# Altium PCB PROC114E3_BRD.PcbDoc (part 9 of 18)
Units mm, origin at the board's own origin, x right, y up, seen from the top; angles counter-clockwise.
Board outline 85 x 155.18 mm, 10 copper layers (TOP, L02_GND1, L03_SIG1, L04_GND2, L05_PWR1, L06_PWR2, L07_GND3, L08_SIG2, L09_GND4, BOTTOM), stack 1.134 mm thick; 1389 components, 1010 nets, 5137 pads, 3263 vias.
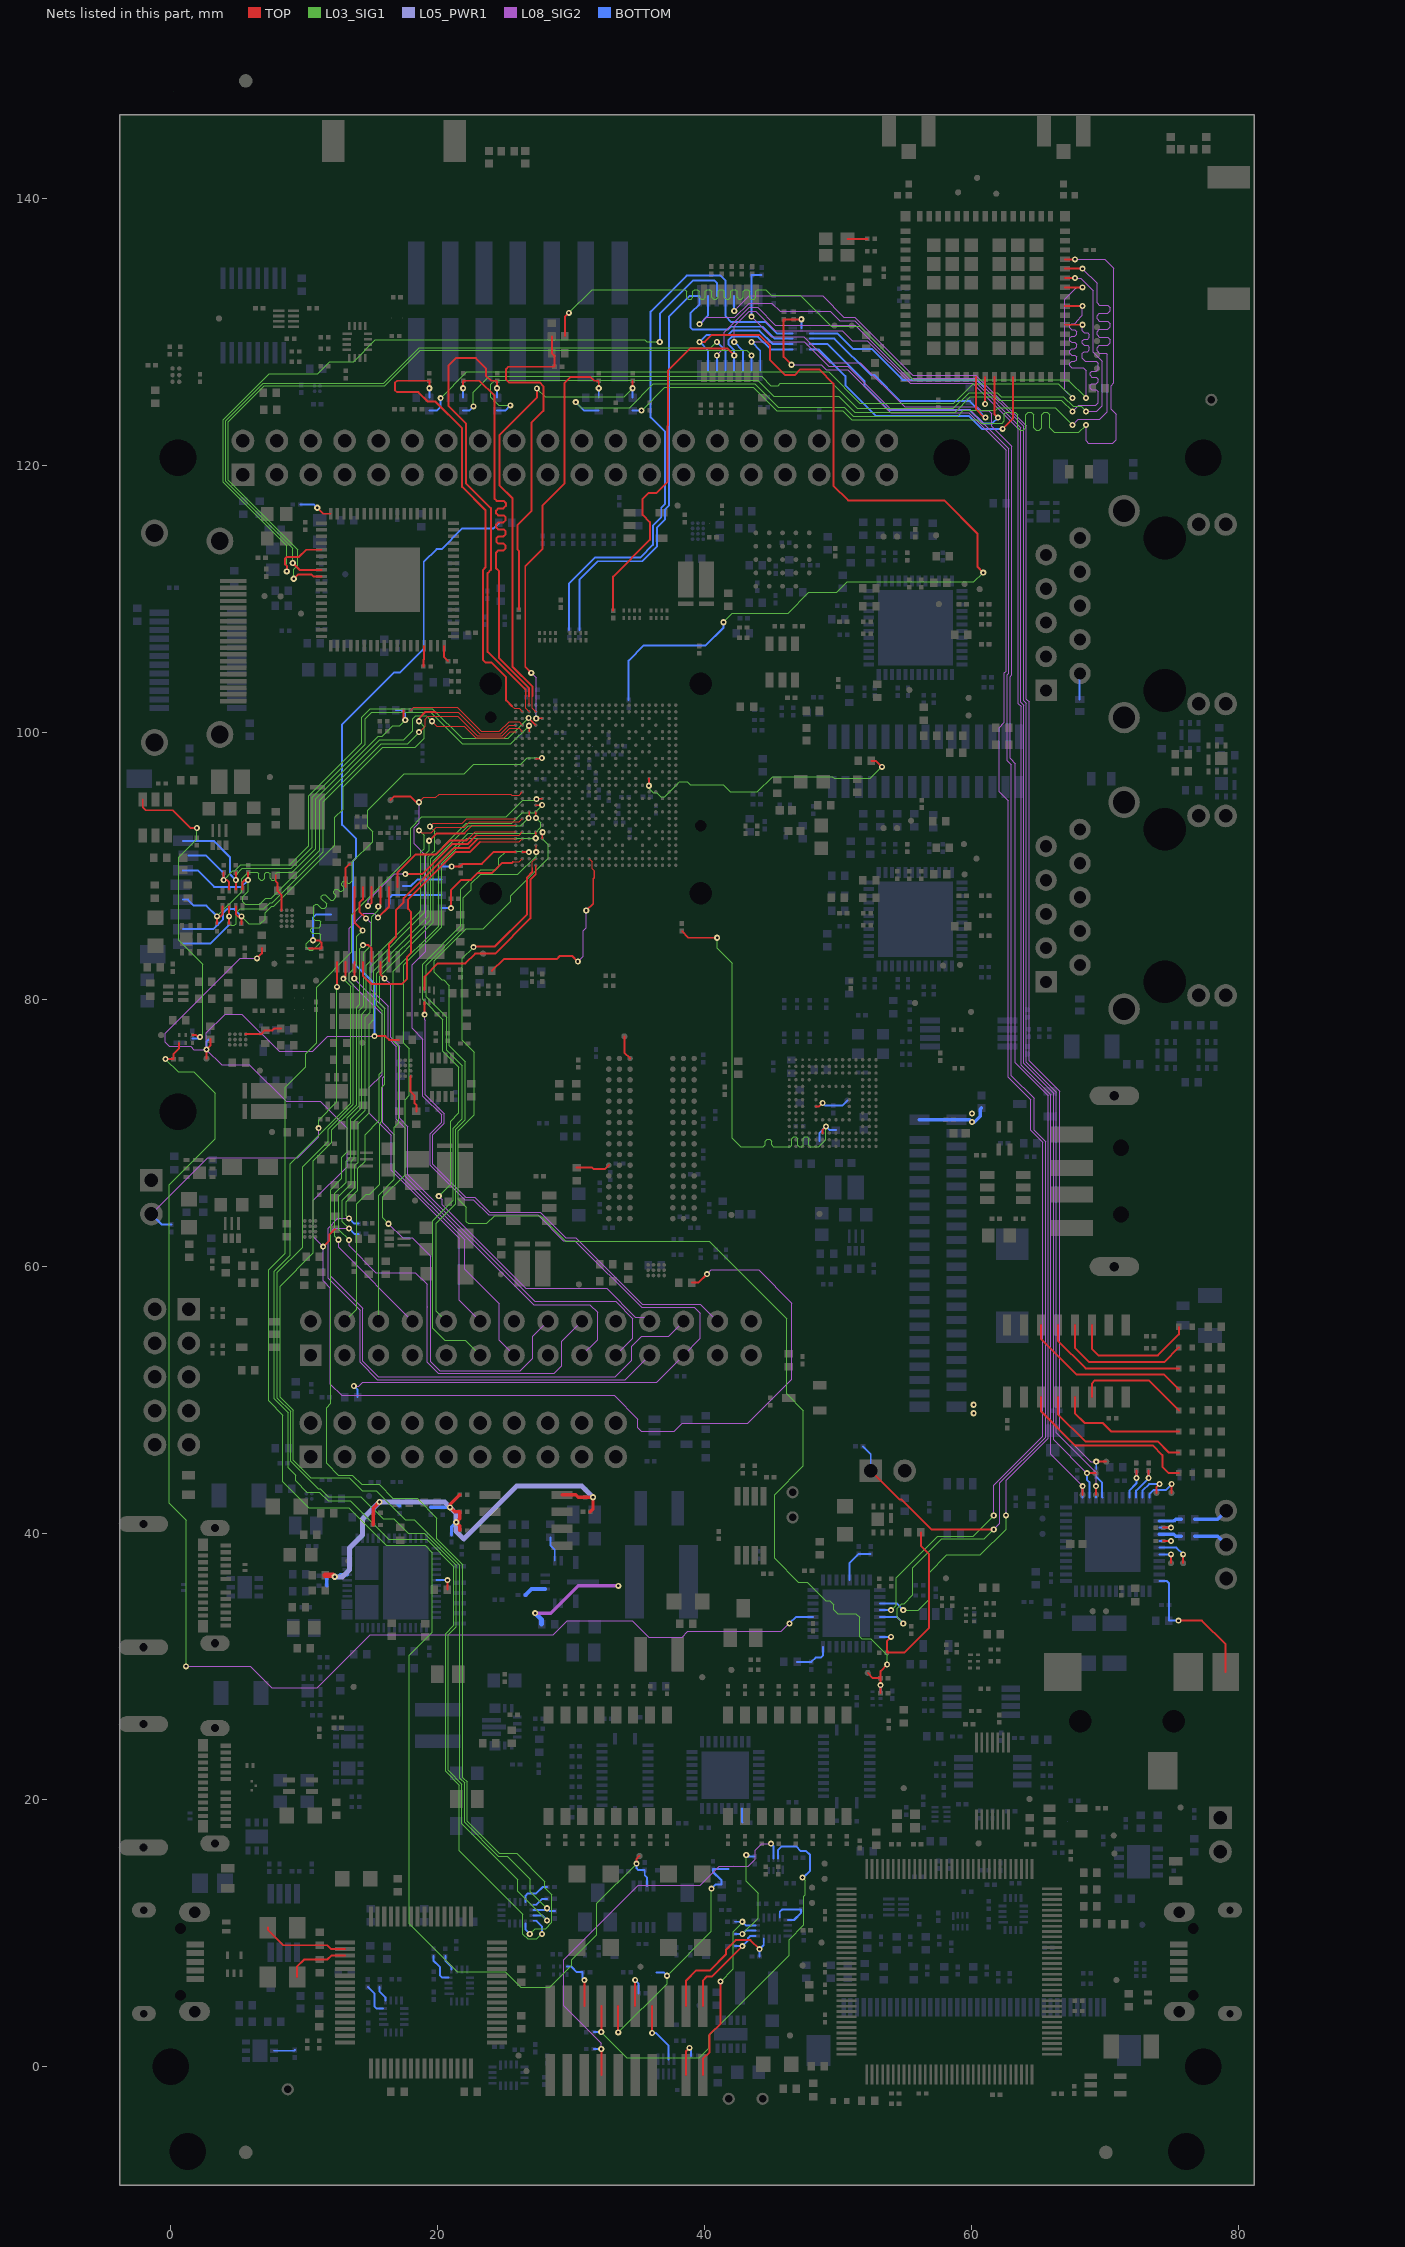
[diagram p17: the nets of this part, all layers, seen from the top]

## Via types
v1: diameter 0.457, hole 0.203, TOP to BOTTOM, 3263 vias

## Nets (pads, with @x,y where several pads share a name; then routed paths per layer and width w, separated by ;. In a path a pad name is that pad's centre, name@x,y a point inside that pad or via, vN(x,y) a via of type N, cw(c..) or ccw(c..) an arc to the next point about the centre after c; other vN are vias at no path point) (continued)
INA_ALERT:  | length 169
  TOP w0.147: 2.681,75.548 v1(2.681,76.236) 2.968,76.523 2.968,77.007 ; v1(6.466,83.068) 6.836,83.439 6.836,83.835 ; v1(11.427,61.463) 11.885,61.922 11.885,62.352 12.286,62.752 12.324,62.752 ; v1(15.276,77.24) 16.097,77.24 16.37,76.967 17.131,76.967 ; 39.061,58.76 39.553,58.76 v1(40.196,59.403)
  L08_SIG2 w0.091: v1(6.466,83.068) 5.221,83.068 -0.392,77.455 -0.392,76.769 -0.113,76.49 1.487,76.49 1.741,76.236 v1(2.681,76.236) ; v1(15.276,77.24) 15.273,77.237 11.787,77.237 10.638,76.088 8.137,76.088 5.339,78.886 4.087,78.886 2.681,77.48 v1(2.681,76.236) ; v1(40.196,59.403) 40.513,59.721 44.063,59.721 46.555,57.229 46.555,51.532 43.248,48.224 38.351,48.224 37.758,47.632 35.269,47.632 35.02,47.881 35.02,48.54 33.233,50.328 12.805,50.328 11.977,51.156 11.977,58.354 11.427,58.904 v1(11.427,61.463) 10.702,62.188 10.702,64.922 13.217,67.437 13.217,70.33 11.206,72.34 8.663,72.34 5.907,75.096 3.82,75.096 v1(2.681,76.236)
  BOTTOM w0.147: v1(2.681,76.236) 2.681,76.824 2.845,76.987 ; v1(15.276,77.24) 15.276,81.167 13.654,82.789 13.654,90.362 13.895,90.603 13.895,92.023 12.844,93.075 12.844,100.597 16.727,104.481 17.182,104.481 18.967,106.266 18.967,112.777 19.93,113.74 20.305,113.74 21.832,115.266 24.192,115.266 24.595,115.67 24.595,115.708
IO_EXP_ADDR:  | length 1.1
  BOTTOM w0.147: 42.818,19.354 42.818,18.349 42.869,18.298
IO_EXP_INTN:  | length 2.8
  BOTTOM w0.147: 46.944,30.339 48.011,30.339 48.34,30.669 48.722,30.669 48.891,30.839 48.891,31.472
IO_EXP_P14:  | length 3.1
  BOTTOM w0.147: 50.891,36.471 50.891,37.76 51.567,38.435 52.456,38.435
IO_EXP_TEST_LED:  | length 13.5
  TOP w0.147: v1(53.992,32.221) 53.673,31.902 53.673,31.034 54.973,31.034 56.845,32.907 56.845,38.405 56.22,39.03 56.22,40.051
  BOTTOM w0.147: 53.141,32.221 v1(53.992,32.221)
JTAG_CTI_RTCK:  | length 3.1
  TOP w0.147: 34.812,4.544 v1(34.812,6.5)
  BOTTOM w0.147: v1(34.812,6.5) 35.057,6.255 35.057,5.497
JTAG_CTI_TCK:  | length 20.1
  TOP w0.147: v1(33.542,2.576) 33.542,4.544
  L03_SIG1 w0.091: v1(33.542,2.576) 37.2,6.233 v1(37.2,6.817) 40.527,10.145 v1(40.527,13.345)
  BOTTOM w0.147: 36.396,7.078 36.939,7.078 v1(37.2,6.817) ; v1(40.527,13.345) 40.828,13.646 41.283,13.646 41.283,13.96 40.646,14.597 40.646,14.837 41.821,14.837
JTAG_DIR:  | length 3.6
  BOTTOM w0.147: 45.648,11.198 45.648,11.608 45.825,11.786 47.257,11.786 47.257,11.541 46.714,10.998 46.248,10.998
JTAG_EMU0:  | length 32.9
  TOP w0.147: v1(32.272,2.6) 32.272,4.544
  L03_SIG1 w0.091: v1(32.272,2.6) 34.197,0.676 39.618,0.676 40.375,1.433 40.375,2.376 46.369,8.37 46.369,9.537 47.461,10.629 47.461,12.786 47.558,12.883 47.558,13.985 v1(47.36,14.183)
  BOTTOM w0.147: 31.713,2.6 v1(32.272,2.6) ; 45.526,15.612 45.526,15.736 45.523,15.739 45.523,16.072 45.526,16.075 45.526,16.261 45.785,16.52 46.877,16.52 47.233,16.165 47.623,16.165 47.918,15.869 47.918,14.691 47.41,14.183 v1(47.36,14.183)
JTAG_EMU1:  | length 31.1
  TOP w0.147: 32.272,-0.612 v1(32.272,1.331)
  L08_SIG2 w0.091: v1(32.272,1.331) 32.272,1.764 29.464,4.572 29.464,8.023 35.041,13.599 39.689,13.599 41.111,15.022 43.296,15.022 43.829,15.555 43.829,16.241 44.311,16.722 v1(44.985,16.722)
  BOTTOM w0.147: 31.713,1.331 v1(32.272,1.331) ; v1(44.985,16.722) 45.176,16.531 45.176,15.612
JTAG_EMU_RSTN:  | length 3.9
  TOP w0.147: 31.002,4.544 v1(31.002,6.487)
  BOTTOM w0.147: 29.698,7.498 30.042,7.498 30.443,7.097 30.875,7.097 30.875,6.614 v1(31.002,6.487)
JTAG_TCK:  | length 9.1
  L03_SIG1 w0.091: v1(42.843,9.952) 44.028,11.137 44.028,13.006 43.136,13.898 v1(43.136,15.877)
  BOTTOM w0.147: 42.284,9.952 v1(42.843,9.952) 43.089,10.198 43.848,10.198 ; v1(43.136,15.877) 43.263,15.75 43.771,15.75
JTAG_TDI:  | length 10.6
  TOP w0.147: 38.622,4.544 38.622,6.462 39.384,7.224 40.425,7.224 41.619,8.418 41.619,8.773 42.344,9.498 43.447,9.498 v1(44.134,8.811)
  BOTTOM w0.147: 44.134,8.265 v1(44.134,8.811) 44.448,9.125 44.448,9.598
JTAG_TDIS:  | length 2.8
  TOP w0.147: 38.622,-0.612 38.622,1.153 v1(38.889,1.42)
  BOTTOM w0.147: v1(38.889,1.42) 39.003,1.306 39.003,0.823
JTAG_TDO:  | length 4.7
  TOP w0.147: v1(36.082,2.525) 36.082,4.544
  BOTTOM w0.147: v1(36.082,2.525) 36.387,2.525 37.32,1.591 37.32,0.561
JTAG_TMS:  | length 7.9
  TOP w0.147: 39.892,4.544 39.892,6.462 40.197,6.767 40.572,6.767 v1(42.843,9.038)
  BOTTOM w0.147: 42.284,9.038 v1(42.843,9.038) 43.27,9.465 43.27,9.637 43.432,9.798 43.848,9.798
JTAG_TRST#:  | length 14.4
  TOP w0.147: 39.892,-0.612 39.892,0.594 40.4,1.102 40.4,2.423 41.213,3.236 v1(41.213,6.386)
  L03_SIG1 w0.091: v1(41.213,6.386) 42.178,7.351 42.178,10.119 42.843,10.785 v1(42.843,10.867)
  BOTTOM w0.147: 42.284,10.867 v1(42.843,10.867) 43.112,10.598 43.848,10.598
LDO_1V8:  | length 1.5
  TOP w0.147: 20.74,35.761 v1(20.74,36.465)
  BOTTOM w0.147: 19.92,36.465 v1(20.74,36.465)
LDO_3V3:  | length 43.8
  TOP w0.254: 15.17,40.599 15.17,41.514 15.17,41.849 v1(15.648,42.327) ; 21.659,40.193 21.659,40.546 v1(21.399,40.805) 21.659,41.064 21.659,41.59 21.277,41.59 v1(20.942,41.925) 20.942,42.143 21.659,42.86 ; 29.333,42.86 30.355,42.86 30.532,42.682 31.06,42.682 v1(31.65,42.682) 31.65,41.784 31.455,41.59
  TOP w0.381: 11.578,36.837 12.18,36.837 v1(12.296,36.72)
  L05_PWR1 w0.381: v1(12.296,36.72) 12.873,36.72 13.4,37.247 13.4,38.875 14.38,39.856 14.38,41.059 v1(15.648,42.327) 20.54,42.327 v1(20.942,41.925) 21.375,41.491 21.375,40.158 21.973,39.56 25.933,43.52 30.811,43.52 v1(31.65,42.682)
  BOTTOM w0.254: 11.686,36.043 11.686,36.805 12.212,36.805 v1(12.296,36.72) 12.568,36.72 12.713,36.865 13.22,36.865 ; v1(15.648,42.327) 16.87,42.327 17.17,42.027 ; 19.481,41.925 20.396,41.925 v1(20.942,41.925) ; 21.044,39.88 21.044,40.45 v1(21.399,40.805)
LED1:  | length 13.8
  TOP w0.147: 65.228,50.193 65.228,49.108 67.768,46.568 73.585,46.568 74.322,45.832 74.322,44.981 74.817,44.486 75.562,44.486
LED2:  | length 11.5
  TOP w0.147: 66.498,50.193 66.498,48.918 68.543,46.873 73.979,46.873 74.817,46.035 75.562,46.035
LED3:  | length 9.6
  TOP w0.147: 67.768,50.193 67.768,48.981 68.505,48.245 69.851,48.245 70.486,47.61 75.562,47.61
LED4:  | length 8.6
  TOP w0.147: 69.038,50.193 69.038,51.204 69.267,51.432 73.314,51.432 75.562,49.185
LED5:  | length 9.7
  TOP w0.147: 69.038,55.593 69.038,53.807 69.534,53.312 73.991,53.312 75.562,54.882 75.562,55.458
LED6:  | length 10.4
  TOP w0.147: 67.768,55.593 67.768,53.884 68.848,52.804 74.457,52.804 75.562,53.909
LED7:  | length 11.1
  TOP w0.147: 66.498,55.593 66.498,54.404 68.569,52.334 75.562,52.334
LED8:  | length 13
  TOP w0.147: 65.228,55.593 65.228,54.531 67.895,51.864 74.457,51.864 75.562,50.759
LINE1L+:  | length 2.6
  BOTTOM w0.254: 76.737,41.037 78.46,41.037 79.095,41.672
LINE1L+_C:  | length 1.7
  BOTTOM w0.254: 74.101,40.902 75.195,40.902 75.33,41.037 75.757,41.037
LINE1R+:  | length 2.6
  BOTTOM w0.254: 76.737,39.767 78.46,39.767 79.095,39.132
LINE1R+_C:  | length 1.7
  BOTTOM w0.254: 74.101,39.902 75.184,39.902 75.319,39.767 75.757,39.767
LM61460_RT:  | length 1.9
  BOTTOM w0.147: 28.462,39.678 28.462,39.075 28.785,38.753 28.785,37.932
LM61460_SW:  | length 8.1
  L08_SIG2 w0.254: v1(27.319,33.995) 28.487,33.995 30.535,36.043 v1(33.553,36.043)
  BOTTOM w0.381: v1(27.319,33.995) 27.805,33.509 27.805,33.17
LM61460_VCC:  | length 1.7
  BOTTOM w0.305: 26.596,35.354 27.048,35.807 28.06,35.807
LVDS_SHIELD:  | length 5.5
  BOTTOM w0.254: 56.112,70.959 58.912,70.959 59.9,70.959 v1(60.06,70.8) 60.224,70.8 60.667,71.243 60.667,71.761 60.769,71.862
  other v1: 60.182,48.977 60.182,49.612 60.06,71.435
MCASP1_ACLKX:  | length 34.1
  TOP w0.147: 33.166,109.128 33.166,111.685 35.916,114.434 35.916,115.76 35.369,116.306 35.369,117.508 35.822,117.96 36.428,117.96 37.245,118.778 37.245,122.978 37.269,123.002 37.269,127.096 38.95,128.778 41.709,128.778 v1(42.235,128.252)
  BOTTOM w0.147: 42.235,127.121 v1(42.235,128.252) 42.235,128.656 41.823,129.068 41.823,129.424 42.068,129.67 44.016,129.67 44.971,128.714 46.619,128.714
MCASP1_ACLKX_AUD:  | length 111.8
  TOP w0.147: 68.351,42.855 v1(68.351,43.515)
  L08_SIG2 w0.091: v1(42.235,129.266) 42.235,130.444 43.363,131.572 43.84,131.572 45.306,130.106 50.35,130.106 51.087,129.369 52.195,129.369 55.411,126.152 60.121,126.152 63.53,122.743 63.53,102.161 63.745,101.946 63.745,75.074 65.961,72.859 65.961,45.905 v1(68.351,43.515)
  BOTTOM w0.147: v1(42.235,129.266) 42.885,128.616 42.885,127.121 ; 68.351,42.652 v1(68.351,43.515)
MCASP1_ACLKX_BT:  | length 21.5
  TOP w0.147: v1(62.351,122.751) 63.141,123.541 63.141,126.629
  BOTTOM w0.147: 47.919,128.714 48.552,128.714 50.571,126.695 50.571,126.01 52.858,123.723 59.817,123.723 60.79,122.751 v1(62.351,122.751)
MCASP1_ACLKX_HDMI:  | length 59
  TOP w0.147: v1(9.228,111.52) 9.536,111.829 10.562,111.829 10.7,111.69 11.295,111.69
  L03_SIG1 w0.091: v1(9.228,111.52) 9.228,112.245 9.524,112.541 9.524,113.709 4.329,118.904 4.329,123.291 7.01,125.972 16.043,125.972 18.698,128.628 43.159,128.628 v1(43.535,128.252)
  BOTTOM w0.147: 43.535,127.121 v1(43.535,128.252)
MCASP1_AFSX:  | length 78.4
  TOP w0.147: v1(39.635,129.266) 40.039,129.266 40.567,129.794 44.12,129.794 44.907,129.007 44.907,127.94 46.076,126.771 46.761,126.771 47.193,127.203 48.616,127.203 49.674,126.145 49.674,118.498 50.774,117.399 57.962,117.399 60.467,114.893 60.467,112.404 v1(60.898,111.973)
  L03_SIG1 w0.091: v1(41.432,108.26) 42.1,108.928 46.269,108.928 47.829,110.487 49.911,110.487 50.7,111.276 60.201,111.276 v1(60.898,111.973)
  BOTTOM w0.147: 34.318,102.435 34.318,105.383 35.455,106.52 40.096,106.52 41.432,107.856 v1(41.432,108.26) ; 40.285,127.121 40.285,128.616 v1(39.635,129.266) 40.163,129.794 41.775,129.794 42.087,130.106 44.113,130.106 45.104,129.115 46.619,129.115
MCASP1_AFSX_AUD:  | length 112.8
  TOP w0.147: v1(68.67,44.486) 69.305,44.486
  L08_SIG2 w0.091: v1(40.935,128.252) 41.504,128.821 41.504,129.999 43.356,131.851 43.993,131.851 45.314,130.531 51.306,130.531 55.474,126.363 60.209,126.363 63.724,122.849 63.724,102.264 63.938,102.049 63.938,75.205 66.172,72.971 66.172,46.984 v1(68.67,44.486)
  BOTTOM w0.147: 40.935,127.121 v1(40.935,128.252) ; v1(68.67,44.486) 68.67,44.003 68.851,43.823 68.851,42.652
MCASP1_AFSX_BT:  | length 20.1
  TOP w0.147: 61.741,126.629 61.741,123.857 v1(62.006,123.591)
  BOTTOM w0.147: 47.919,129.115 49.219,129.115 51.994,126.34 51.994,125.984 53.823,124.155 59.893,124.155 60.884,123.165 61.58,123.165 v1(62.006,123.591)
MCASP1_AFSX_HDMI:  | length 56.8
  TOP w0.147: v1(9.148,112.697) 9.655,112.19 11.295,112.19
  L03_SIG1 w0.091: v1(9.148,112.697) 9.148,113.812 4.136,118.824 4.136,123.371 6.941,126.177 15.974,126.177 18.618,128.821 40.49,128.821 v1(40.935,129.266)
  BOTTOM w0.147: v1(40.935,129.266) 41.585,128.616 41.585,127.121
MCASP1_AXR0:  | length 42
  BOTTOM w0.147: 30.625,107.675 30.625,111.447 32.006,112.828 35.336,112.828 36.452,113.944 36.452,115.372 37.061,115.981 37.061,116.716 37.36,117.015 37.36,131.183 38.898,132.721 39.635,132.721 39.635,132.099 38.972,131.436 38.972,130.341 39.119,130.194 41.759,130.194 41.968,130.403 44.374,130.403 45.263,129.515 46.619,129.515
MCASP1_AXR0_AUD:  | length 114.3
  TOP w0.147: 69.351,42.855 v1(69.351,43.515)
  L08_SIG2 w0.091: v1(39.635,130.599) 40.139,131.104 42.284,131.104 43.36,132.18 45.036,132.18 45.669,131.547 49.428,131.547 50.127,130.848 51.262,130.848 55.554,126.557 60.289,126.557 63.917,122.929 63.917,102.392 64.139,102.17 64.139,75.278 66.365,73.051 66.365,47.496 69.351,44.511 v1(69.351,43.515)
  BOTTOM w0.147: v1(39.635,130.599) 40.285,131.249 40.285,132.721 ; 69.351,42.652 v1(69.351,43.515)
MCASP1_AXR0_BT:  | length 19
  TOP w0.147: 60.34,126.629 60.34,124.241 60.985,123.596 v1(61.062,123.596)
  BOTTOM w0.147: 47.919,129.515 49.748,129.515 52.492,126.771 52.756,126.771 54.695,124.832 59.896,124.832 60.604,124.123 60.604,124.054 v1(61.062,123.596)
MCASP1_AXR0_HDMI:  | length 61.1
  TOP w0.147: v1(8.702,112.072) 8.702,112.476 8.566,112.611 8.566,112.999 8.714,113.147 9.602,113.147 10.145,113.69 11.295,113.69
  L03_SIG1 w0.091: v1(8.702,112.072) 8.702,113.984 3.943,118.742 3.943,123.451 7.38,126.888 11.006,126.888 11.905,127.787 13.703,127.787 15.339,129.423 35.516,129.423 35.673,129.266 v1(36.657,129.266)
  BOTTOM w0.147: v1(36.657,129.266) 36.657,131.366 39.177,133.886 40.745,133.886 40.935,133.696 40.935,132.721
MCASP1_AXR2:  | length 44.4
  BOTTOM w0.147: 29.863,107.675 29.863,111.177 31.808,113.123 35.214,113.123 36.144,114.053 36.144,115.489 36.766,116.111 36.766,116.838 37.054,117.126 37.054,122.54 35.977,123.617 35.977,131.536 38.675,134.234 41.215,134.234 41.585,133.864 41.585,132.721 41.585,131.194 42.026,130.753 44.583,130.753 45.422,129.915 46.619,129.915
MCASP1_AXR2_AUD:  | length 108.9
  TOP w0.147: v1(69.367,45.35) 70.068,45.35 70.07,45.352 70.118,45.352
  L08_SIG2 w0.091: v1(42.235,131.59) 43.359,132.714 48.864,132.714 50.458,131.12 51.264,131.12 55.626,126.757 60.352,126.757 60.36,126.75 60.369,126.75 64.132,122.986 64.132,102.5 64.341,102.292 64.341,75.385 66.624,73.101 66.624,47.678 68.953,45.35 v1(69.367,45.35)
  BOTTOM w0.147: v1(42.235,131.59) 42.235,132.721 ; 69.367,44.791 v1(69.367,45.35)
MCASP1_AXR2_BT:  | length 18
  TOP w0.147: v1(61.041,124.612) 61.041,126.629
  BOTTOM w0.147: 47.919,129.915 49.945,129.915 51.121,128.739 52.527,128.739 54.85,126.416 60.427,126.416 61.041,125.802 v1(61.041,124.612)
MCASP1_BUF_BT_EN:  | length 120
  TOP w0.147: v1(46.533,127.559) 45.938,128.153 45.938,130.958 46.7,130.958 47.264,130.958 v1(47.269,130.964)
  L03_SIG1 w0.091: v1(53.992,34.221) 54.368,34.597 54.368,36.639 57.483,39.754 60.131,39.754 v1(61.687,41.31)
  L08_SIG2 w0.091: v1(46.533,127.559) 48.768,127.559 49.149,127.178 50.74,127.178 53.955,123.963 59.794,123.963 62.607,121.15 62.607,104.572 62.49,104.455 62.49,100.752 62.088,100.349 62.088,95.56 62.776,94.872 62.776,74.147 64.465,72.458 64.465,70.172 65.361,69.277 65.361,47.262 61.687,43.588 v1(61.687,41.31)
  BOTTOM w0.147: 47.269,130.315 v1(47.269,130.964) ; 53.141,34.221 v1(53.992,34.221)
MCASP1_FET_EN:  | length 125
  L03_SIG1 w0.091: v1(54.907,34.221) 56.015,34.221 56.845,35.052 56.845,37.033 58.166,38.354 60.681,38.354 62.611,40.284 v1(62.611,41.326)
  L08_SIG2 w0.091: v1(43.535,131.157) 45.026,129.666 47.448,129.666 49.403,127.711 51.689,127.711 55.008,124.392 60.444,124.392 60.731,124.104 61.316,124.104 61.544,123.876 61.544,122.961 63.043,121.463 63.043,104.306 62.906,104.169 62.906,98.067 63.309,97.663 63.309,75.237 65.761,72.785 65.761,47.096 62.611,43.945 v1(62.611,41.326)
  BOTTOM w0.147: v1(43.535,131.157) 43.535,132.721 43.535,134.282 44.297,134.282 ; 53.141,34.722 54.407,34.722 v1(54.907,34.221)
MCASP1_FET_SEL:  | length 136.1
  TOP w0.147: 52.468,44.667 54.63,42.505 54.777,42.505 57.012,40.27 v1(61.687,40.27)
  L03_SIG1 w0.091: v1(54.907,33.221) 54.444,33.684 54.444,34.358 54.8,34.714 54.978,34.714 55.626,35.362 55.626,37.389 57.798,39.56 60.977,39.56 v1(61.687,40.27)
  L08_SIG2 w0.091: v1(43.535,129.266) 47.493,129.266 49.31,127.449 50.743,127.449 54.021,124.17 59.886,124.17 62.8,121.256 62.8,104.427 62.713,104.339 62.713,97.864 63.015,97.561 63.015,74.279 64.725,72.569 64.725,70.186 65.568,69.342 65.568,47.176 62.154,43.761 62.154,40.738 v1(61.687,40.27)
  BOTTOM w0.147: v1(43.535,129.266) 44.185,128.616 44.185,127.121 ; 51.882,46.499 52.468,45.913 52.468,44.667 ; 53.141,33.722 54.407,33.722 v1(54.907,33.221)
MCU_GPIO0_15:  | length 43.9
  TOP w0.102: 27.86,92.045 27.86,92.474 27.878,92.492 v1(27.878,92.517)
  L03_SIG1 w0.091: 20.657,55.867 19.915,56.608 19.915,63.218 21.373,64.676 21.373,70.242 22.087,70.956 22.087,75.321 20.895,76.513 20.895,81.028 20.453,81.47 20.306,81.47 19.743,82.033 19.743,82.871 22.15,85.278 23.433,85.278 25.49,87.336 25.49,87.767 28.31,90.587 28.31,91.577 27.878,92.009 v1(27.878,92.517)
MCU_GPIO0_16:  | length 47.7
  TOP w0.081: 27.361,91.545 27.395,91.511 v1(27.395,91.029)
  L03_SIG1 w0.091: 23.197,53.327 22.091,54.432 20.549,54.432 19.634,55.347 19.634,63.394 21.18,64.94 21.18,70.354 21.858,71.032 21.858,74.891 21.858,75.016 20.69,76.185 20.69,78.649 19.14,80.198 19.14,82.56 21.944,85.364 21.944,87.617 22.544,88.217 22.544,88.682 23.23,89.367 26.024,89.367 27.395,90.739 v1(27.395,91.029)
MCU_I2C0_SCL:  | length 79.9
  TOP w0.081: v1(19.427,92.942) 19.688,93.203 21.858,93.203 22.2,93.545 25.861,93.545
  L03_SIG1 w0.091: v1(13.367,62.824) 12.866,63.325 12.866,64.933 13.806,65.873 13.806,67.549 14.06,67.803 14.06,70.673 14.873,71.486 14.873,78.13 15.229,78.486 15.229,82.14 19.304,86.215 19.304,90.667 19.65,91.013 19.65,91.02 19.78,91.15 19.78,92.589 v1(19.427,92.942)
  L08_SIG2 w0.091: v1(13.367,62.824) 12.272,62.824 11.996,62.549 11.996,59.249 14.391,56.854 14.391,52.871 15.564,51.698 33.309,51.698 34.569,52.959 34.569,54.011 35.306,54.747 37.318,54.747 38.437,55.867
  BOTTOM w0.147: v1(13.367,62.824) 13.773,62.418 14.078,62.418
MCU_I2C0_SDA:  | length 77.3
  TOP w0.102: 27.361,94.545 27.828,94.545 v1(27.844,94.561)
  L03_SIG1 w0.091: v1(13.367,63.586) 13.171,63.782 13.171,64.831 14.035,65.695 14.035,67.346 14.568,67.879 14.568,69.86 15.635,70.927 15.635,74.379 15.848,74.592 15.848,79.148 15.457,79.539 15.457,81.937 19.5,85.979 19.5,90.54 22.153,93.193 25.557,93.193 26.362,93.998 27.281,93.998 v1(27.844,94.561)
  L08_SIG2 w0.091: v1(13.367,63.586) 12.53,63.586 11.803,62.859 11.803,59.094 14.198,56.7 14.198,52.791 15.489,51.5 34.071,51.5 35.897,53.327
  BOTTOM w0.147: v1(13.367,63.586) 13.773,63.18 14.078,63.18
MCU_MCAN0_RX:  | length 53
  TOP w0.147: 26.36,91.045 26.823,91.045 v1(26.842,91.027)
  L03_SIG1 w0.091: v1(20.089,65.25) 20.987,66.148 20.987,70.872 21.604,71.489 21.604,74.915 20.41,76.109 20.41,78.471 18.886,79.995 18.886,82.636 21.756,85.507 21.756,88.25 23.23,89.723 24.347,89.723 24.601,89.977 24.601,90.561 25.135,91.095 26.774,91.095 v1(26.842,91.027)
  L08_SIG2 w0.091: v1(20.089,65.25) 20.355,64.984 20.355,64.607 26.618,58.344 32.664,58.344 34.823,56.185 35.579,56.185 35.897,55.867
MCU_MCAN0_TX:  | length 61.3
  TOP w0.102: v1(27.361,92.067) 27.361,92.545
  L03_SIG1 w0.091: v1(16.321,63.18) 15.889,63.612 15.889,65.187 17.565,66.863 17.565,72.476 17.896,72.807 17.896,76.286 17.47,76.712 17.47,82.605 20.309,85.443 20.309,90.191 22.184,92.067 v1(27.361,92.067)
  L08_SIG2 w0.091: v1(16.321,63.18) 17.388,62.113 18.124,62.113 19.496,60.741 19.496,52.846 20.176,52.166 26.218,52.166 27.153,53.1 27.153,54.742 28.277,55.867
MCU_OSC0_XI:  | length 8.4
  TOP w0.081: 25.655,90.295 26.11,90.295 26.36,90.545
  TOP w0.147: v1(21.007,86.833) 21.007,87.533 21.007,88.161 21.791,88.945 22.506,88.945 23.03,89.469 24.093,89.469 24.855,90.231 25.591,90.231 25.655,90.295
  BOTTOM w0.147: 20.309,86.833 v1(21.007,86.833)
MCU_OSC0_XO:  | length 6
  TOP w0.147: v1(21.058,89.946) 21.67,89.946 21.751,90.027 21.878,90.155 23.327,90.155 24.217,91.045 25.861,91.045
  BOTTOM w0.147: 20.309,89.946 v1(21.058,89.946)
MCU_PORZ:  | length 95.5
  TOP w0.081: 27.111,89.859 27.111,90.295 27.361,90.545
  TOP w0.102: 27.111,89.54 27.111,89.859
  TOP w0.147: v1(22.696,83.906) 22.747,83.957 24.297,83.957 26.709,86.37 26.709,89.139 27.111,89.54 ; 52.242,29.517 52.63,29.128 53.202,29.128 ; 53.202,28.007 v1(53.202,28.6) 53.202,29.128 ; v1(53.7,30.151) 53.202,29.653 53.202,29.128
  L03_SIG1 w0.091: v1(22.696,83.906) 21.861,83.071 21.861,76.919 22.74,76.039 22.74,71.336 21.566,70.162 21.566,65.021 22.168,64.419 22.168,63.347 22.306,63.208 23.708,63.208 24.274,63.774 27.69,63.774 29.606,61.858 40.35,61.858 46.159,56.049 46.159,50.444 47.422,49.182 47.422,45.034 45.263,42.875 45.263,38.1 47.041,36.322 47.701,36.322 49.098,34.925 49.403,34.925 49.708,34.62 49.708,34.265 50.013,33.96 51.359,33.96 51.638,33.68 51.638,32.233 51.791,32.08 52.451,32.08 53.7,30.831 v1(53.7,30.151)
  BOTTOM w0.147: 53.202,28.099 v1(53.202,28.6)
MCU_RESETSTATZ:  | length 95.1
  TOP w0.081: v1(18.614,94.771) 18.984,95.142 19.885,95.142 20.114,95.371 25.472,95.371 25.548,95.295 26.11,95.295 26.36,95.545
  TOP w0.147: 16.471,94.921 16.764,95.214 17.968,95.214 18.412,94.771 v1(18.614,94.771)
  L08_SIG2 w0.091: v1(13.73,51.013) 14.106,51.013 14.395,51.303 36.413,51.303 38.437,53.327 39.7,54.59 39.7,56.464 39.258,56.906 35.293,56.906 30.288,61.911 29.426,61.911 27.497,63.84 23.827,63.84 22.695,64.972 22.051,64.972 19.449,67.575 19.449,69.919 20.32,70.79 20.32,71.334 18.901,72.752 18.901,77.008 18.091,77.818 18.091,82.578 19.115,83.602 19.115,90.764 18.238,91.641 18.238,92.859 18.614,93.235 v1(18.614,94.771)